# Altium PCB RT1064_V1PCB.PcbDoc (part 1 of 2) (continued)
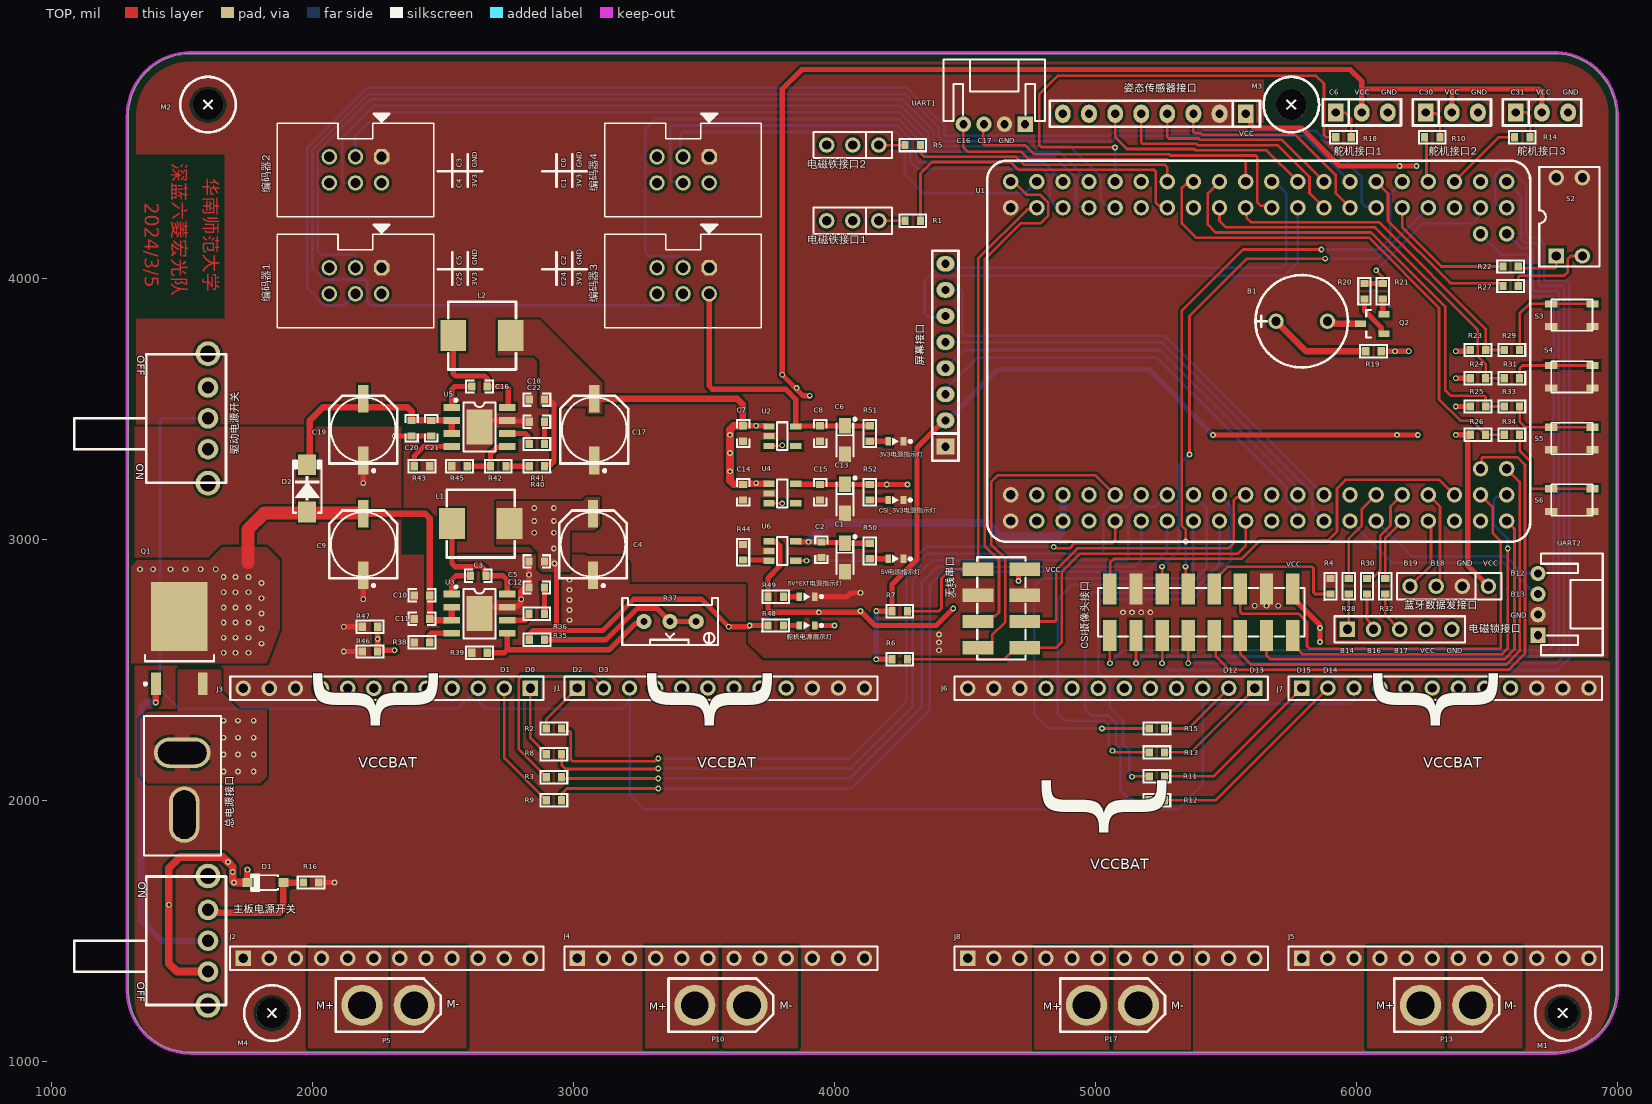
[diagram p0: TOP view]
## Components (designator, comment, footprint, x,y, rotation, side; value= is the part's Value field where it differs from the comment) (continued)
屏幕接口 "Header-D-M 1x8P" Fe-HDR1X8/2.54-S 4425,3355 r180 top (schematic designator P6)
总电源接口 "T型插头" PCBComponent_1 1502.39,2063 r270 top (schematic designator DCIN1)
无线串口 "Header-S-F 2x4P" HDR2X4-F-SMT 4639.37,2735 r90 top (schematic designator P11)
电磁铁接口1 "Header-D-M 1x3P" HDR1X3-M 4170,4220 r180 top (schematic designator P2)
电磁铁接口2 "Header-D-M 1x3P" HDR1X3-M 4170,4510 r180 top (schematic designator P7)
电磁锁接口 "Header 5" HDR1X5 5965,2655 r0 top (schematic designator P29)
编码器1 "Header-D-M 2x3P" IDC2.54-6P 2265,4040 r180 top (schematic designator P9)
编码器2 "Header-D-M 2x3P" IDC2.54-6P 2265,4465 r180 top (schematic designator P14)
编码器3 "Header-D-M 2x3P" IDC2.54-6P 3520,4040 r180 top (schematic designator P16)
编码器4 "Header-D-M 2x3P" IDC2.54-6P 3520,4465 r180 top (schematic designator P19)
舵机接口1 "Header-D-M 1x3P" Fe-HDR1X3/2.54-S 5920,4635 r90 top (schematic designator P18)
舵机接口2 "Header-D-M 1x3P" Fe-HDR1X3/2.54-S 6265,4635 r90 top (schematic designator P12)
舵机接口3 "Header-D-M 1x3P" Fe-HDR1X3/2.54-S 6610,4635 r90 top (schematic designator P15)
舵机电源指示灯 "翠绿贴片LED" LEDC1608(0603)-L 3895,2670 r180 top (schematic designator LED1)
蓝牙数据发接口 "Header-D-M 1x4P" HDR1X4-M 6505,2820 r180 top (schematic designator P20)
驱动电源开关 "SW-SPDT" SS-12F23 1600,3711.06 r270 top (schematic designator S7)

## Footprints (in the part's own frame and the unit in brackets; to place one, negate y for a bottom-side part, rotate by r counter-clockwise, add the part's x,y. Pads: shape width x height; smd on the part's side, far side on the other; paste and mask are expansions set on the pad)
"0630 TPC 7*7*3" [mm]
  rect 2.5x3 smd: 1(-2.8,0) 2(2.8,0)
  silkscreen extent -3.3,-3.3 3.3,3.3, body extent -3.3,-3.3 3.3,3.3, height 3
"BEEP 9x5.5mm" [mm]
  round 1.5 hole 0.9: 1(-2.5,0) 2(2.5,0)
  silkscreen extent -4.5,-4.5 4.5,4.5, body extent -4.8,-4.8 4.8,4.8, height 5.05
Cam_HDR2X8-F-SMT [mm]
  rect 1.3x3 smd: 1(-8.89,-2.27) 2(-8.89,2.27) 3(-6.35,-2.27) 4(-6.35,2.27) 5(-3.81,-2.27) 6(-3.81,2.27) 7(-1.27,-2.27) 8(-1.27,2.27) 9(1.27,-2.27) 10(1.27,2.27) 11(3.81,-2.27) 12(3.81,2.27) 13(6.35,-2.27) 14(6.35,2.27) 15(8.89,-2.27) 16(8.89,2.27)
  silkscreen extent -10.06,-2.35 10.06,2.35, body extent -10.8,-5 10.8,5, height 14.2
"CAP-E-S 6.3" [mm]
  rect 2.7x1 smd: 1(-3,0) 2(3,0)
  silkscreen extent -3.3,-3.3 4.12,3.3, body extent -3.5,-3.3 3.5,3.3, height 5.2
"CAP-T-S 3216" [mm]
  rect 1.5x1.2 smd: 1(-1.4,0) 2(1.4,0)
  silkscreen extent -2.15,-0.9 1.6,1.1, body extent -1.6,-0.8 1.6,0.8, height 1.6
CAPC1608[0603]S-L [mm]
  rect 0.7x0.8 smd: 1(-0.75,0) 2(0.75,0)
  silkscreen extent -1.4,-0.7 1.4,0.7, body extent -0.8,-0.41 0.8,0.41, height 0.79
"Code SW-2-DIP-2.54" [mm]
  rect 1.5x1.5 hole 0.9: 1(-1.27,-3.81)
  round 1.5 hole 0.9: 2(1.27,-3.81) 3(1.27,3.81) 4(-1.27,3.81)
  silkscreen extent -2.93,-4.85 2.93,4.85, body extent -3.04,-4.95 3.04,4.95, height 7.03
Fe-HDR1X3/2.54-S [mil]
  rect 70x60 hole 32: 1(0,0)
  oval 70x60 hole 32: 2(0,-100) 3(0,-200)
  silkscreen extent -50,-250 50,50, body extent -50,-255 48,55, height 335
Fe-HDR1X8/2.54-S [mil]
  rect 70x60 hole 32: 1(0,0)
  oval 70x60 hole 32: 2(0,-100) 3(0,-200) 4(0,-300) 5(0,-400) 6(0,-500) 7(0,-600) 8(0,-700)
  silkscreen extent -50,-750 50,55, body extent -49,-755 49,55, height 126
Fe-HDR1X12/2.54-S [mm]
  rect 1.5x1.5 hole 0.9: 1(0,0)
  round 1.5 hole 0.9: 2(0,-2.54) 3(0,-5.08) 4(0,-7.62) 5(0,-10.16) 6(0,-12.7) 7(0,-15.24) 8(0,-17.78) 9(0,-20.32) 10(0,-22.86) 11(0,-25.4) 12(0,-27.94)
  silkscreen extent -1.14,-29.21 1.14,1.27, body extent -1.27,-29.34 1.23,1.39, height 3.2
HDR1X3-M [mm]
  round 1.5 hole 0.9: 1(0,0) 2(2.54,0) 3(5.08,0)
  silkscreen extent -1.27,-1.27 6.35,1.27, body extent -1.27,-1.27 6.35,1.27, height 8.54
HDR1X4-M [mm]
  round 1.5 hole 0.9: 1(0,0) 2(2.54,0) 3(5.08,0) 4(7.62,0)
  silkscreen extent -1.27,-1.27 8.89,1.27, body extent -1.27,-1.27 8.89,1.27, height 8.54
HDR1X5 [mm] "Connector; Header; 5 Position"
  rect 1.5x1.5 hole 0.9: 1(0,0)
  round 1.5 hole 0.9: 2(2.54,0) 3(5.08,0) 4(7.62,0) 5(10.16,0)
  silkscreen extent -1.27,-1.27 11.43,1.27
HDR2X4-F-SMT [mm]
  rect 1.3x3 smd: 1(-3.81,-2.27) 2(-3.81,2.27) 3(-1.27,-2.27) 4(-1.27,2.27) 5(1.27,-2.27) 6(1.27,2.27) 7(3.81,-2.27) 8(3.81,2.27)
  silkscreen extent -4.98,-2.35 4.98,2.35, body extent -5.08,-3.35 5.08,3.35, height 7.47
IDC2.54-6P [mm]
  oct 1.5x1.5 hole 1: 1(0,0)
  round 1.5 hole 1: 2(0,2.54) 3(2.54,0) 4(2.54,2.54) 5(5.08,0) 6(5.08,2.54)
  silkscreen extent -5.06,-4.19 10.14,5.84, body extent -5.07,-2.95 10.15,5.9, height 8.92
LEDC1608(0603)-L [mm]
  rect 0.55x0.8 smd: A(0.75,0) C(-0.75,0)
  silkscreen extent -1.53,-0.38 0.33,0.38, body extent -0.8,-0.4 0.8,0.4, height 0.64
M3-MountHole [mm]
  round 3 hole 3 unplated mask+0: 1(0,0)
  Keep-Out Layer circle w0.254: c0,0 r2.7
  silkscreen extent -2.7,-2.7 2.7,2.7
"MIMXRT1064xVL_CoreBoard - 3D" [mm]
  round 1.5 hole 0.9: 1(-24.13,-16.51) 2(-24.13,-13.97) 3(-21.59,-16.51) 4(-21.59,-13.97) 5(-19.05,-16.51) 6(-19.05,-13.97) 7(-16.51,-16.51) 8(-16.51,-13.97) 9(-13.97,-16.51) 10(-13.97,-13.97) 11(-11.43,-16.51) 12(-11.43,-13.97) 13(-8.89,-16.51) 14(-8.89,-13.97) 15(-6.35,-16.51) 16(-6.35,-13.97) 17(-3.81,-16.51) 18(-3.81,-13.97) 19(-1.27,-16.51) 20(-1.27,-13.97) 21(1.27,-16.51) 22(1.27,-13.97) 23(3.81,-16.51) 24(3.81,-13.97) 25(6.35,-16.51) 26(6.35,-13.97) 27(8.89,-16.51) 28(8.89,-13.97) 29(11.43,-16.51) 30(11.43,-13.97) 31(13.97,-16.51) 32(13.97,-13.97) 33(16.51,-16.51) 34(16.51,-13.97) 35(19.05,-16.51) 36(19.05,-13.97) 37(21.59,-16.51) 38(21.59,-13.97) 39(24.13,-16.51) 40(24.13,-13.97) 41(21.59,-11.43) 42(24.13,-11.43) 43(24.13,11.43) 44(21.59,11.43) 45(24.13,13.97) 46(24.13,16.51) 47(21.59,13.97) 48(21.59,16.51) 49(19.05,13.97) 50(19.05,16.51) 51(16.51,13.97) 52(16.51,16.51) 53(13.97,13.97) 54(13.97,16.51) 55(11.43,13.97) 56(11.43,16.51) 57(8.89,13.97) 58(8.89,16.51) 59(6.35,13.97) 60(6.35,16.51) 61(3.81,13.97) 62(3.81,16.51) 63(1.27,13.97) 64(1.27,16.51) 65(-1.27,13.97) 66(-1.27,16.51) 67(-3.81,13.97) 68(-3.81,16.51) 69(-6.35,13.97) 70(-6.35,16.51) 71(-8.89,13.97) 72(-8.89,16.51) 73(-11.43,13.97) 74(-11.43,16.51) 75(-13.97,13.97) 76(-13.97,16.51) 77(-16.51,13.97) 78(-16.51,16.51) 79(-19.05,13.97) 80(-19.05,16.51) 81(-21.59,13.97) 82(-21.59,16.51) 83(-24.13,13.97) 84(-24.13,16.51)
  silkscreen extent -26.42,-18.54 26.42,18.54, body extent -26.42,-18.54 26.42,18.54, height 21.04
PCBComponent_1 [mil]
  oval 118x216 hole 86 slot 186 at 90 deg: 1(-119,-1)
  oval 216x118 hole 86 slot 186 at 0 deg: 2(118,7)
  silkscreen extent -260,-148 275,148
PH2.0W-4P [mm]
  rect 1.5x1.5 hole 0.8: 1(4.239,-0.762)
  round 1.5 hole 0.8: 2(6.239,-0.762) 3(8.239,-0.762) 4(10.239,-0.762)
  silkscreen extent 2.29,-7.06 12.19,-1.06
PTS810-3*4-CurvePin [mm]
  rect 1.2x0.7 smd: 1(-2,-1.1) 1(2,-1.1) 2(-2,1.1) 2(2,1.1)
  silkscreen extent -2.02,-1.52 2,1.52, body extent -2.3,-1.6 2.3,1.6, height 2.5
RESC1608[0603]S-L [mm]
  rect 0.7x0.8 smd: 1(-0.75,0) 2(0.75,0)
  silkscreen extent -1.4,-0.7 1.4,0.7, body extent -0.8,-0.4 0.8,0.4, height 0.45
RESPOT3296W [mm]
  round 1.5 hole 0.7: 1(-2.54,0) 2(2.54,0) ADJ(0,0)
  silkscreen extent -4.65,-2.3 4.65,2.3, body extent -4.75,-2.4 4.75,2.4, height 3.1
SMA-L[DO-214AC] [mm]
  rect 2x1.75 smd: A(-2.3,0) K(2.3,0)
  silkscreen extent -2.37,-1.4 2.7,1.4, body extent -2.9,-1.46 2.91,1.46, height 2.3
SOD-123-L [mm]
  rect 1x0.85 smd: A(-1.75,0) K(1.75,0)
  silkscreen extent -1.32,-0.9 1.47,0.9, body extent -1.85,-0.8 1.85,0.8, height 1.2
SOP-8E [mm]
  rect 2.5x3.4 smd: 0(0,0)
  rect 1.6x0.65 smd: 1(-2.7,1.905) 2(-2.7,0.635) 3(-2.7,-0.635) 4(-2.7,-1.905) 5(2.7,-1.905) 6(2.7,-0.635) 7(2.7,0.635) 8(2.7,1.905)
  silkscreen extent -2.42,-2.4 1.58,2.72, body extent -3.11,-2.45 3.11,2.45, height 1.75
SOT-23 [mm]
  rect 1.05x0.65 smd: 1(-1.15,0.95) 2(-1.15,-0.95) 3(1.15,0)
  silkscreen extent 0.13,-1.35 0.58,1.35, body extent -1.4,-1.45 1.4,1.45, height 1.2
SOT-23-5 [mm]
  rect 1.1x0.6 smd: 1(-1.3,0.95) 2(-1.3,0) 3(-1.3,-0.95) 4(1.3,-0.95) 5(1.3,0.95)
  silkscreen extent -0.53,-1.35 0.53,1.35, body extent -1.42,-1.46 1.42,1.46, height 1.08
SS-12F23 [mm]
  round 2.4 hole 1.6: 0(0,0) 0(12.6,0)
  round 2 hole 1.2: 1(3.3,0) 2(6.3,0) 3(9.3,0)
  silkscreen extent 0.05,-13 12.55,1.75, body extent -0.14,-12.27 12.86,0.64, height 5.75
TO-252AA [mm]
  rect 6.7x5.5 smd: 1(3.275,0)
  rect 2.2x0.95 smd: 2(-3.275,2.28) 3(-3.275,-2.28)
  silkscreen extent -3.4,-3.35 -0.47,3.43, body extent -3.77,-3.27 6.16,3.27, height 2.39
XT30-M [mm]
  round 4 hole 2.7: 1(-2.54,0) 2(2.54,0)
  silkscreen extent -5.1,-2.6 5.11,2.6, body extent -5.1,-2.8 5.1,2.8, height 10.66

## Part data
3V3电源指示灯 5V*EXT电源指示灯 5V电源指示灯 CSI_3V3电源指示灯 舵机电源指示灯: library part "LED Chip Green", Price(RMB)=0.00, Published=8-Jun-2000, Publisher="Altium Limited", Revision="July-2002: Re-released for DXP Platform."
B1: "蜂鸣器"
C1 C6 C13: "贴片钽电容 10uF 3216 16V", Voltage=16V, Revision="July-2002: Re-released for DXP Platform.", Type=TanCap
C2: library part "1uF 0603 16V X7R", "贴片瓷片电容; MLCC; 0603(1608);", Voltage=16V, Revision=V1.0, Type=X7R
C3 C5 C7 C8 C10 C11 C14 C15 C16 C18 C20 C21: library part "100nF 0603 50V X7R", "贴片瓷片电容; MLCC; 0603(1608);", Voltage=50V, Revision=V1.0, Type=X7R
C4 C9 C17 C19: library part "E-S 220uF 25V 6.3x7.7", "贴片电解电容 220uF 25V 6.3x7.7", Voltage=25V, Revision=V1.0, Type=铝电解
C12 C22: library part "4.7nF 0603 50V X7R", "贴片瓷片电容; MLCC; 0603(1608);", Voltage=50V, Revision=V1.0, Type=X7R
CSI摄像头接口: "2x8pin, 直插, 双排座", Revision=V1.0
D1: library part "Diode Zen", "稳压二极管 齐纳二极管  Zener Diode", Price(RMB)=0.000, Published=8-Jun-2000, Publisher="Altium Limited", Revision="July-2002: Re-released for DXP Platform."
D2: "SS54 肖特基二极管", Revision=V1.0
J1 J2 J3 J4 J5 J6 J7 J8: "1X12Pin,直插排母"
L1 L2: library part Ind-Power, "功率电感", DCR=.5m, Imax=5A, Price(RMB)=0.000, Published=8-Jun-2000, Publisher="Altium Limited", Revision="July-2002: Re-released for DXP Platform."
M1 M2 M3 M4: "固定孔"
P5 P10 P13 P17: library part "KF/WJ/DG 30x", "接线端子 2Pin"
Q1: "HY19P03 P-Channel MOSFET"
Q2: library part "NPN S8050", "Discrete NPN Bipolar Transistor", PartNumber=S8050, Price(RMB)=0.000, Published=8-Jun-2000, Publisher="Altium Limited", Revision="July-2002: Re-released for DXP Platform."
R1 R2 R3 R4 R5 R6 R7 R8 R9 R10 R11 R12 R13 R14 R15 R16 R18 R19 R20 R21 R22 R23 R24 R25 R26 R27 R28 R29 R30 R31 R32 R33 R34 R35 R36 R38 R39 R40 R41 R42 R43 R44 R45 R48 R49 R50 R51 R52: library part Res-Chip, "贴片电阻", Power=1/8W, Tolerance=±1%, Revision=V1.0
R37: library part Res-Adj-3p, "可调电阻"
R46 R47: library part Res-Chip_1, "贴片电阻", Power=1/8W, Tolerance=±1%, Revision=V1.0
S2: library part "Code SW-2", "2位拨码开关", Price(RMB)=0.000, Published=24-Mar-1999, Publisher="Altium Limited", Revision="July-2002: Re-released for DXP Platform."
S3 S4 S5 S6: library part KEY, "按键", Price(RMB)=0.000, Published=24-Mar-1999, Publisher="Altium Limited"
U1: "逐飞科技i.MX RT1064核心板整体原理，可直接使用"
U2 U4: "3.3V 500mA SOT-23-5 LDO"
U3 U5: "3.8V-36V Vin, 5A, High Efficiency Synchronous Step-down DCDC Converter / with Programmable Frequency"
U6: "SY6280 2A 限额配电开关", Imax=2.1A, Published=2020-12-08, Revision=V1.0
UART1 UART2 蓝牙数据发接口: "1x4pin, 直插, 排针", Revision=V1.0
主板电源开关 驱动电源开关: "单刀双掷开关 3脚船型、钮子、拨动开关 SPDT Subminiature Toggle Switch", Price(RMB)=0.000, Published=24-Mar-1999, Publisher="Altium Limited"
姿态传感器接口 屏幕接口: "1x8pin, 直插, 排针", Revision=V1.0
总电源接口: library part T_Header
无线串口: "2x4pin, 贴片, 双排座", Revision=V1.0
电磁铁接口1 电磁铁接口2 舵机接口1 舵机接口2 舵机接口3: "1x3pin, 直插, 排针", Revision=V1.0
电磁锁接口: "Header, 5-Pin", LatestRevisionDate=17-Jul-2002, LatestRevisionNote="Re-released for DXP Platform.", Publisher="Altium Limited"
编码器1 编码器2 编码器3 编码器4: library part "Header-S-M 2x3P", "2x3pin, 贴片, 双排针", Revision=V1.0

## Via types
v1: diameter 22, hole 12, TOP to BOTTOM, tented both sides, 141 vias

## Nets (pads, with @x,y where several pads share a name; then routed paths per layer and width w, separated by ;. In a path a pad name is that pad's centre, name@x,y a point inside that pad or via, vN(x,y) a via of type N, cw(c..) or ccw(c..) an arc to the next point about the centre after c; other vN are vias at no path point)
3V3: C6.1 C8.2 R6.2 R7.2 R19.2 R23.1 R24.1 R25.1 R26.1 R51.2 U2.5 姿态传感器接口.1 屏幕接口.2 编码器1.2 编码器2.2 编码器3.2 编码器4.2 蓝牙数据发接口.1 驱动电源开关.3 | length 5912.5
  TOP w20: 编码器3.2@3520,3940 3520,3586.72 3531.72,3575 3812.57,3575 3851.18,3536.39 U2.5@3851.18,3432.4 3852.21,3433.43 4133.97,3433.43 R51.2@4135,3434.46 ; v1(4160,2540) R6.2@4220.52,2540 ; v1(4160,2725) 4160.54,2725 4161.54,2724 R7.2@4220.47,2724.03 ; R7.2@4220.47,2724.03 4220.47,2826.09 4316.41,2922.02 4316.41,3351.41 4420,3455 屏幕接口.2@4425,3455 ; v1(5449.62,3399.62) v1(6234.62,3399.62) v1@6235,3400 ; 姿态传感器接口.1@5575,4630 5595,4610 5595,4586.72 5606.72,4575 5790,4575 5935,4430 v1(6165,4430) v1(6230,4430) ; R19.2@6094.53,3720 v1(6200,3720) ; v1(6380,3720) 6431.69,3720 R23.1@6435.47,3723.78 ; v1@6382.88,3616.65 R24.1@6435.3,3616.65 6435.3,3614.68 6431.52,3610.9 R24.1@6429.56,3610.9 ; v1@6383.02,3508.32 R25.1@6435.47,3508.32 ; v1@6385,3400 R26.1@6435.32,3400 6435.32,3398.03 6425.47,3388.19 6425.47,2899.53 蓝牙数据发接口.1@6505,2820
  BOTTOM w20: v1(4160,2540) v1(4160,2725) ; 屏幕接口.2@4425,3455 4430,3455 4625,3650 5205,3650 5327.12,3527.88 5327.12,3522.11 v1(5449.62,3399.62)
  other v1: 6155,3400 6380,3400 6380,3508.32 6380,3616.65 6147.26,3720
B0: U1.23 屏幕接口.3 | length 1754.5
  BOTTOM w10: 屏幕接口.3@4425,3555 4439.32,3569.32 4439.32,3589.32 4545,3695 5235,3695 5730.47,3199.53 5730.47,3151.56 5767.5,3114.53 5767.5,3077.5 U1.23@5775,3070 U1.23@5748.87,3070.08
B1: U1.24 屏幕接口.4 | length 1623.5
  BOTTOM w10: 屏幕接口.4@4425,3655 4495,3725 5245,3725 5766.01,3203.99 5766.01,3178.99 U1.24@5775,3170
B2: U1.25 屏幕接口.5 | length 1770.6
  BOTTOM w10: 屏幕接口.5@4425,3755 5252.97,3755 5830,3177.97 5830,3115 U1.25@5875,3070
B3: U1.26 屏幕接口.7 | length 1870.8
  BOTTOM w10: 屏幕接口.7@4425,3955 4484.14,3955 4490,3949.14 4490,3785.86 4495.86,3780 5265,3780 5267.93,3777.07 U1.26@5875,3170
B11: R20.2 R21.2 U1.47 | length 647.8
  TOP w10: v1(6075,4030) 6100,4005 R21.2@6100,3979.53
  TOP w20: R20.2@6030,3979.47 R21.2@6100,3979.53
  BOTTOM w10: v1(6075,4030) 6255,4210 6445,4210 6468.51,4233.51 6468.51,4263.51 U1.47@6475,4270
B12: U1.29 UART2.4 | length 703.4
  BOTTOM w10: U1.29@6075,3070 6210,2935 6570,2935 6636.26,2868.74 UART2.4@6695,2868.74
B13: U1.27 UART2.3 | length 827
  BOTTOM w10: U1.27@5975,3070 6135,2910 6562.48,2910 UART2.3@6685,2787.48
B14: R28.2 U1.30 | length 397.6
  TOP w10: R28.2@5976.6,2855.84 R28.2@5970,2849.24 5970,3002.03 6019.53,3051.56 6019.53,3114.53 U1.30@6075,3170 U1.30@6075,3146
B16: R30.2 U1.32 | length 388
  TOP w10: R30.2@6040,2849.24 6045.65,2854.89 6064.89,2854.89 6090,2880 6090,3013.28 6130,3053.28 6130,3125 U1.32@6175,3170
B17: R32.2 U1.31 | length 247.7
  TOP w10: R32.2@6110,2849.24 6110,3005 U1.31@6175,3070
B18: U1.34 蓝牙数据发接口.3 | length 374.5
  TOP w10: U1.34@6275,3170 6319.53,3125.47 6319.53,2847.81 6305,2833.27 蓝牙数据发接口.3@6305,2820
B19: U1.33 蓝牙数据发接口.4 | length 287.3
  TOP w10: 蓝牙数据发接口.4@6205,2820 6285,2900 6285,3039.61 6284.39,3040.23 6284.39,3060.61 U1.33@6275,3070
B20: CSI摄像头接口.15 U1.36 | length 1694.5
  TOP w10: CSI摄像头接口.15@5055,2810 5038,2827 5038,2860.46 5052.14,2860.46 5055.74,2864.06 5055.74,2910.74 5070,2925 5560,2925 5630,2995 5890,2995 5925,3030 5925,3195 5957.67,3227.67 6317.33,3227.67 U1.36@6375,3170
B22: CSI摄像头接口.5 U1.38 | length 1817.9
  TOP w10: CSI摄像头接口.5@5555,2810 5555,2720.86 5560.86,2715 5777.12,2715 5810,2682.12 5810,2590.9 5814.14,2585.86 5819.44,2580.56 ccw(c5824.14,2600) 5824.08,2580 6547.14,2580 6553,2585.86 6553,2992 6521.37,3023.63 6521.37,3123.63 U1.38@6475,3170
B24: CSI摄像头接口.2 U1.40 | length 1531.1
  TOP w10: CSI摄像头接口.2@5755,2631.26 5755,2597.8 5792.8,2560 6557.43,2560 6579,2581.57 v1(6579,2965)
  BOTTOM w10: U1.40@6575,3170 6568.51,3163.51 6538.51,3163.51 6525,3150 6525,3057.03 6579,3003.03 v1(6579,2965)
B25: CSI摄像头接口.4 U1.39 | length 1551.9
  TOP w10: CSI摄像头接口.4@5655,2631.26 5655,2554.63 5658.03,2551.61 5667.39,2542.74 5670.28,2540 5674.26,2540 6565.71,2540 6605,2579.29 6605,3040 U1.39@6575,3070
B26: CSI摄像头接口.6 U1.42 | length 1898.7
  TOP w10: CSI摄像头接口.6@5555,2631.26 5555,2560 5595,2520 6573.99,2520 6625,2571.01 6625,3220 U1.42@6575,3270
B27: CSI摄像头接口.8 U1.41 | length 2256.5
  TOP w10: CSI摄像头接口.8@5455,2631.26 5460,2626.26 5460,2552.72 5512.72,2500 6582.28,2500 6645,2562.72 6645,3285 6615.47,3314.53 6485.16,3314.53 6479.3,3308.67 6479.3,3274.3 U1.41@6475,3270
B28: CSI摄像头接口.10 U1.46 | length 3537.7
  TOP w10: v1(5355,2525) CSI摄像头接口.10@5355,2631.26
  BOTTOM w10: v1(5355,2525) 6765,2525 6795,2555 6795,3964.14 6789.14,3970 6704.69,3970 6698.83,3975.86 6698.83,4121.17 6685,4135 6645,4135 6630,4150 6630,4315 U1.46@6575,4370
B29: CSI摄像头接口.12 U1.45 | length 3961.3
  TOP w10: v1(5255,2525) CSI摄像头接口.12@5255,2631.26
  BOTTOM w10: v1(5255,2525) 5281,2499 6769,2499 6815,2545 6815,3980 6805,3990 6724.69,3990 6718.83,3995.86 6718.83,4131.17 6700,4150 6698.28,4150 6693.28,4155 6655.86,4155 6650,4160.86 6650,4357.97 6587.97,4420 6555,4420 6530.47,4395.47 6530.47,4289.53 6541.01,4278.99 6566.01,4278.99 U1.45@6575,4270
B30: CSI摄像头接口.14 U1.43 | length 3506.9
  TOP w10: v1@5155,2520 v1(5155,2525) CSI摄像头接口.14@5155,2631.26
  BOTTOM w10: v1(5155,2525) 5181,2551 6755.14,2551 6775,2570.86 6775,3944.14 6769.14,3950 6680.86,3950 6675,3955.86 6675,4109.14 6669.14,4115 6630,4115 U1.43@6575,4170
B31: CSI摄像头接口.16 U1.44 | length 3629.7
  TOP w10: v1(5055,2525) CSI摄像头接口.16@5055,2631.26
  BOTTOM w10: v1(5055,2525) 5105,2575 6735,2575 6755,2595 6755,3924.14 6749.14,3930 6675,3930 6666.72,3930 6655,3941.72 6655,3950 6655,4084.14 6649.14,4090 6555,4090 U1.44@6475,4170
C0: U1.82 编码器4.3 | length 1651.5
  BOTTOM w10: 编码器4.3@3420,4465 3410.61,4474.39 3410.61,4494.77 3410,4495.39 3410,4554.14 3415.86,4560 4235,4560 4270,4525 4270,4397.26 4342.26,4325 4730,4325 U1.82@4775,4370
C1: U1.79 编码器4.4 | length 1999.4
  BOTTOM w10: 编码器4.4@3420,4365 3415.7,4369.3 3376.04,4369.3 3370.18,4375.16 3370.18,4579.14 3376.04,4585 4240,4585 4290,4535 4290,4447.57 4318.02,4419.55 4797.17,4419.55 4825,4386.93 4825,4383.24 4825,4300 4845.61,4279.39 4865.61,4279.39 U1.79@4875,4270
C2: U1.80 编码器3.3 | length 2427.7
  BOTTOM w10: 编码器3.3@3420,4040 3420,4074.14 3409.61,4084.53 3290.47,4084.53 3275.47,4099.53 3275.47,4570.47 3315,4610 4245,4610 4315,4540 4315,4450.86 4320.86,4445 4800,4445 U1.80@4875,4370
C3: U1.77 编码器2.3 | length 3170.5
  BOTTOM w10: 编码器2.3@2165,4465 2165,4545 2255,4635 4250,4635 4340,4545 4340,4485.86 4360.86,4465 4842.97,4465 4925,4382.97 4925,4285 4936.33,4273.67 4971.33,4273.67 U1.77@4975,4270
C4: U1.78 编码器2.4 | length 3280.2
  BOTTOM w10: 编码器2.4@2165,4365 2120.86,4365 2115,4370.86 2115,4540 2235,4660 4255,4660 4360,4555 4360,4505.86 4380.86,4485 4860,4485 U1.78@4975,4370
C5: U1.75 编码器1.3 | length 3960.4
  BOTTOM w10: 编码器1.3@2165,4040 2165,4084.14 2159.14,4090 2035,4090 2020.47,4104.53 2020.47,4483.44 2222.03,4685 4260,4685 4380,4565 4380,4525.86 4400.86,4505 4902.97,4505 5020,4387.97 5020,4300 5041.01,4278.99 5066.01,4278.99 U1.75@5075,4270
C6: R18.2 U1.76 | length 1996.6
  TOP w10: v1(5075,4501) 4794,4501 4785,4510 4785,4705 4855,4775 5845,4775 5875,4745 5875,4548.62 5883.62,4540 R18.2@5920.47,4540
  BOTTOM w10: U1.76@5075,4370 v1(5075,4501)
C9: R1.2 U1.71 | length 1287
  TOP w10: R1.2@4329.51,4220 4329.51,4400.49 4374.02,4445 4675,4445 4705,4415 5224.61,4415 5230.47,4409.14 5230.47,4289.53 5241.01,4278.99 5266.01,4278.99 U1.71@5275,4270
C10: R5.2 U1.72 | length 1053
  TOP w10: R5.2@4329.53,4510 4329.53,4480.47 4345,4465 4695,4465 4725,4435 5265,4435 5275,4425 U1.72@5275,4370
C12: R26.2 R34.2 U1.70 | length 1967.2
  TOP w10: U1.70@5375,4370 5365.61,4360.61 5345.61,4360.61 5330.47,4345.47 5330.47,4209.53 5385,4155 6046.72,4155 6315.86,3885.86 6315.86,3535.7 6397.4,3454.15 6442.19,3454.15 6494.37,3401.97 R26.2@6494.37,3400 R34.2@6565.47,3400
C13: R24.2 R31.2 U1.67 | length 1480.6
  TOP w10: U1.67@5475,4270 5475,4220 5500,4195 6070,4195 6464.25,3800.75 6464.25,3700.75 6494.36,3670.64 R24.2@6494.36,3616.65 R31.2@6565.45,3616.65
C14: R25.2 R33.2 U1.68 | length 1816.1
  TOP w10: U1.68@5475,4370 5430,4325 5430,4205 5460,4175 6055,4175 6340,3890 6340,3570 6360,3550 6488.67,3550 6494.53,3544.14 R25.2@6494.53,3508.32 R33.2@6565.46,3508.32
C15: R23.2 R29.2 U1.65 | length 1283.9
  TOP w10: U1.65@5575,4270 5578.67,4266.33 5578.67,4231.33 5595,4215 6085,4215 6494.53,3805.47 R23.2@6494.53,3725 R29.2@6565.47,3725
C16: U1.66 UART1.4 | length 1267.8
  TOP w10: UART1.4@4493.78,4590 4493.78,4501.22 4510,4485 4715,4485 4745,4455 5273.28,4455 5278.28,4450 5569.14,4450 5575,4444.14 U1.66@5575,4370
C17: U1.63 UART1.3 | length 1383.8
  TOP w10: UART1.3@4572.52,4590 4570,4587.48 4570,4515.86 4575.86,4510 4730,4510 4765,4475 5281.57,4475 5286.57,4470 5613.67,4470 5619.53,4464.14 5619.53,4290.47 5632.89,4277.11 5667.89,4277.11 U1.63@5675,4270
C18: U1.64 屏幕接口.8 | length 1663.7
  BOTTOM w10: 屏幕接口.8@4425,4055 4440.36,4039.64 5714.57,4039.64 5726.93,4050.08 5727.25,4050.35 5730.47,4053.57 5730.47,4326.81 5687.28,4370 U1.64@5675,4370
C19: U1.61 屏幕接口.6 | length 1881.8
  BOTTOM w10: 屏幕接口.6@4425,3855 4406.47,3855 4402.08,3850.61 4359.39,3850.61 4345,3865 4345,3990 4365,4010 5725,4010 5775,4060 U1.61@5775,4270
C20: U1.62 姿态传感器接口.6 | length 860.4
  TOP w10: 姿态传感器接口.6@5075,4630 5075,4540 5120,4495 5378.36,4495 5383.36,4490 5655,4490 U1.62@5775,4370
C21: U1.59 姿态传感器接口.5 | length 949.9
  TOP w10: 姿态传感器接口.5@5175,4630 5175,4520.86 5180.86,4515 5386.65,4515 5391.65,4510 5697.97,4510 5819.53,4388.44 5819.53,4325.47 U1.59@5875,4270
C22: U1.60 姿态传感器接口.4 | length 759.9
  TOP w10: 姿态传感器接口.4@5275,4630 5275,4540.86 5280.86,4535 5394.93,4535 5399.93,4530 5715,4530 U1.60@5875,4370
C23: U1.57 姿态传感器接口.3 | length 830.6
  TOP w10: 姿态传感器接口.3@5375,4630 5375,4560.86 5380.86,4555 5403.22,4555 5408.22,4550 5765,4550 5919.53,4395.47 5919.53,4325.47 U1.57@5975,4270
C24: U1.58 编码器3.4 | length 6248.8
  BOTTOM w10: 编码器3.4@3420,3940 3411.01,3931.01 3411.01,3906.01 3400.47,3895.47 2224.53,3895.47 2209.53,3910.47 2209.53,3989.14 2203.67,3995 2045,3995 2000.47,4039.53 2000.47,4491.73 2213.74,4705 4271.72,4705 4400,4576.72 4400,4542.57 4417.57,4525 5062.23,4525 5082.23,4545 5800,4545 U1.58@5975,4370
C25: U1.55 编码器1.4 | length 5243.1
  BOTTOM w10: 编码器1.4@2165,3940 2120.47,3895.47 2046.56,3895.47 1980.47,3961.56 1980.47,4500.01 2210.46,4730 4275,4730 4420,4585 4420,4550.86 4425.86,4545 5053.95,4545 5073.95,4565 5842.97,4565 6019.53,4388.44 6019.53,4290.47 6036.33,4273.67 6071.33,4273.67 U1.55@6075,4270
C26: R27.2 U1.56 | length 713.8
  TOP w10: U1.56@6075,4370 6120.47,4324.53 6120.47,4286.51 ; 6120.47,4286.47 6120.47,4219.53 6359.26,3980.74 6551.69,3980.74 6560.47,3971.97 R27.2@6560.47,3970
C27: R22.2 U1.53 | length 522.6
  TOP w10: U1.53@6175,4270 6175,4195 6325,4045 R22.2@6560.47,4045
C28: CSI摄像头接口.9 U1.54 | length 2225
  TOP w10: v1(5345,2895) 5345,2820 CSI摄像头接口.9@5355,2810 ; v1(5345.53,2991) 5345.53,3036.5 5330.47,3051.56 5330.47,3875.47 5565,4110 v1(5865,4110)
  BOTTOM w10: v1(5345,2895) 5345.26,2895.26 5345.26,2990.74 v1(5345.53,2991) ; v1(5865,4110) 6085,4110 6129.53,4154.53 6129.53,4324.53 U1.54@6175,4370
C29: CSI摄像头接口.11 U1.51 | length 2175.4
  TOP w10: CSI摄像头接口.11@5255,2810 v1(5255,2895) ; v1(5360,3325) 5360,3855 5580,4075 v1(5880,4075)
  BOTTOM w10: v1(5255,2895) 5319.53,2959.53 5319.53,3284.53 v1(5360,3325) ; v1(5880,4075) 6080,4075 U1.51@6275,4270
C30: R10.2 U1.52 | length 175.8
  TOP w10: R10.2@6260.47,4539.75 6267.74,4532.49 6267.74,4377.26 U1.52@6275,4370
C31: R14.2 U1.50 | length 300.9
  TOP w10: U1.50@6375,4370 6545,4540 R14.2@6605.47,4540
CR: U1.9 U2.3 U4.3 U6.4 | length 1439.2
  TOP w10: U4.3@3748.82,3137.6 v1(3800,3137.6) ; U2.3@3748.82,3357.6 3750.02,3358.8 3798.8,3358.8 v1(3800,3360) ; U6.4@3851.18,2917.6 v1(3893.15,2917.6) ; v1(4840,2971) 4843.25,2971 4849.25,2965 4900,2965 4920,2985 5065,2985 5075,2995 U1.9@5075,3070
  BOTTOM w10: v1(3893.15,2917.6) 4297.6,2917.6 4351,2971 v1(4840,2971)
CSI_3V3: C13.1 C15.2 CSI摄像头接口.1 R52.2 U4.5 | length 665.7
  TOP w20: U4.5@3851.18,3212.4 3852.62,3210.96 3943.56,3210.96 C15.2@3945,3209.53 ; C15.2@3945,3209.53 R52.2@4135,3209.46 ; R52.2@4135,3209.46 4135.27,3209.73 4199.73,3209.73 v1(4200,3210) v1(4280,3210) ; CSI摄像头接口.1@5755,2810 5755,2776.54 5859.62,2671.92 ; v1(5860,2606) v1(5860,2660)
CTRL: J1.3 J3.3 J6.3 J7.3 驱动电源开关.2 | length 6846.9
  BOTTOM w10: 驱动电源开关.2@1627.61,3463.03 1421.96,3463.03 1416.1,3457.17 1416.1,2423.9 1490,2350 2556.41,2350 J3.3@2635.24,2428.82 2635.24,2379.76 2665,2350 3185,2350 3215,2380 ; J1.3@3215,2429.88 3215,2380 ; J6.3@5410.24,2428.82 5410.24,2370.24 ; J7.3@5990,2429.88 5990,2385 5975.24,2370.24 5410.24,2370.24 ; 3215,2380 3215,2025 3275,1965 5315,1965 5410.24,2060.24 5410.24,2370.24
D0: R8.1 U1.14 | length 3185.5
  TOP w10: R8.1@2954.53,2176.67 2954.53,2135.47 2970,2120 v1@3325,2120
  BOTTOM w10: v1(3325,2121.67) 4061.67,2121.67 4300,2360 4300,2845 4375,2920 5119.14,2920 5125,2925.86 5125,3095 5155.47,3125.47 5230.47,3125.47 U1.14@5275,3170
D1: R9.1 U1.13 | length 3126.6
  TOP w10: R9.1@2954.53,2000 2954.89,2000.36 2954.89,2024.89 2975,2045 v1(3325,2045)
  BOTTOM w10: v1(3325,2045) 4065,2045 4365,2345 4365,2825 4415,2875 5195,2875 5273.76,2953.76 5273.76,3068.76 U1.13@5275,3070
D2: R2.1 U1.12 | length 3119.7
  TOP w10: R2.1@2954.53,2265 2984.14,2265 2990,2259.14 2990,2155.86 2995.86,2150 3313.14,2150 3323.14,2160 v1(3325,2160)
  BOTTOM w10: v1(3325,2160) 4055,2160 4275,2380 4275,2865 4355,2945 5024.14,2945 5030,2950.86 5030,3095 5059.53,3124.53 5119.53,3124.53 5165,3170 U1.12@5175,3170
D3: R3.1 U1.11 | length 2996.7
  TOP w10: R3.1@2954.53,2088.33 2959.53,2083.33 v1(3325,2083.33)
  BOTTOM w10: v1@3325,2085 4060,2085 4335,2360 4335,2835 4395,2895 5150,2895 5175,2920 U1.11@5175,3070
D4: U1.10 无线串口.2 | length 1237
  TOP w10: 无线串口.2@4550,2585 4583.46,2585 4604.06,2605.59 4604.06,2633.2 4654.69,2683.83 4654.69,2925.31 4600,2980 4600,3220 4625,3245 5000,3245 U1.10@5075,3170
D12: R15.1 U1.15 | length 1783.4
  TOP w10: v1(5025,2275) R15.1@5205.48,2275
  BOTTOM w10: v1(5025,2275) 4820,2275 4765.71,2329.29 4765.71,2820.71 4795,2850 5355,2850 5375,2870 U1.15@5375,3070